# Altium PCB SAMD20_Xplained_Pro.PcbDoc (part 1 of 3) (continued)
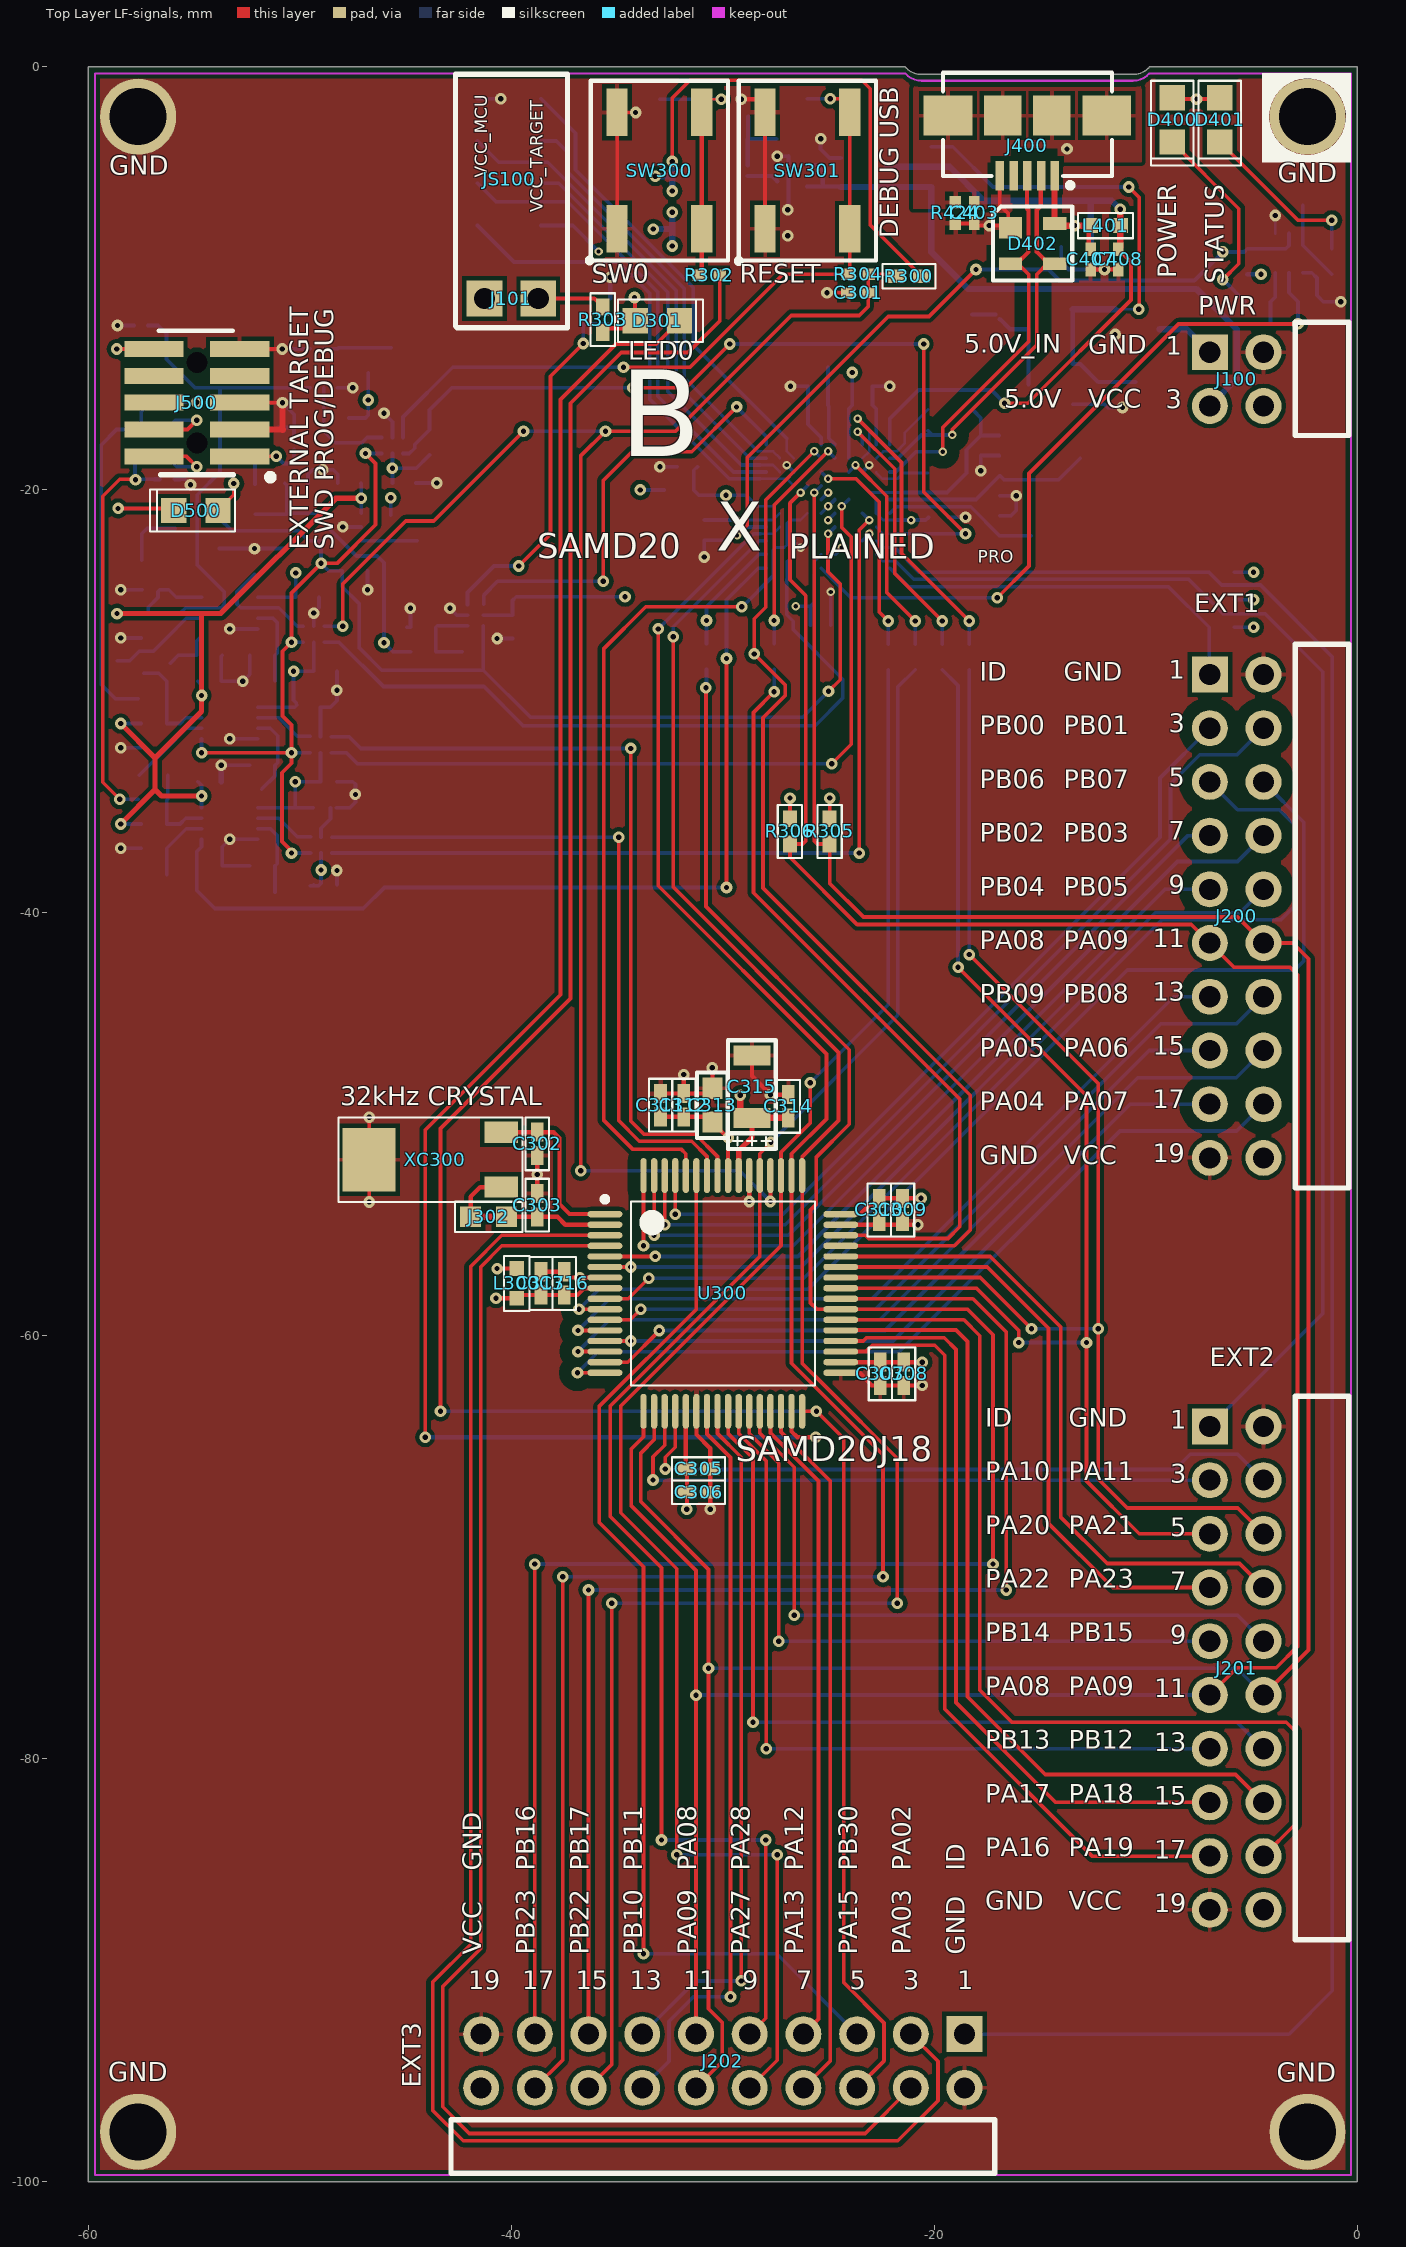
[diagram p0: Top Layer LF-signals view]
## Design rules (kind name [scope] priority, off if disabled: settings)
AcuteAngle [All] p1: minimum=7.00000000000000E+0001 checktracksonly=FALSE
AssemblyTestPointUsage [All] p1: allowmultiple=TRUE
AssemblyTestpoint [All] p1: testpointundercomponent=TRUE minsize=0.8 maxsize=10 preferedsize=0.8 minholesize=0 maxholesize=2 preferedholesize=0.25 testpointgrid=0.025 usegrid=FALSE gridtolerance=0 allowsidebottom=TRUE minspacing=1.27 compbodyclearance=0.127
Clearance Clearance_touch [IsRegion vs (InNet('PB00_ADC8') OR InNet('PB01_ADC9') OR InNet('PB02_PWM_TC6_0') OR InNet('PB03_PWM_TC6_1') OR InNet('PB04_GPIO_IRQ4') OR InNet('PB05_GPIO_SS') OR InNet('PB06_GPIO') OR InNet('PB07_GPIO') OR InNet('PB08_S4_UART_TX') OR InNet('PB09_S4_UART_RX') OR InNet('PA04_S0_SPI_MISO') OR InNet('PA05_S0_SPI_SS') OR InNet('PA06_S0_SPI_MOSI') OR InNet('PA07_S0_SPI_SCK'))] p1: gap=0.6
Clearance "Stitching GND" [IsStitchingVia and InNet('GND') vs (IsVia and (Not IsStitchingVia)) Or IsPad] p2: gap=0.3
Clearance Clearance_Poly_Impedance [IsRegion vs InDifferentialPairClass('All Differential Pairs')] p3: gap=0.6
Clearance Clearance_Poly [All vs IsRegion AND (OnLayer('Top Layer LF-signals') OR OnLayer('Bottom Layer LF-signals'))] p4: gap=0.2
Clearance [All] p5: gap=0.115
ComponentClearance [All] p1: gap=0.1 collisioncheckmode=3 verticalgap=0.1 showdistances=FALSE
DiffPairsRouting [All] p1: maxlimit=0.22 minlimit=0.2 mostfreqgap=0.2 toplayer_minwidth=0.381 toplayer_maxwidth=0.381 toplayer_prefwidth=0.381 bottomlayer_minwidth=0.381 bottomlayer_maxwidth=0.381 bottomlayer_prefwidth=0.381 maxuncoupledlength=20
FabricationTestPointUsage TestPointUsage [All] p1: valid=0 allowmultiple=TRUE
FabricationTestpoint Testpoint [All] p1: side=2 testpointundercomponent=TRUE minsize=0.55 maxsize=10 preferedsize=0.8 minholesize=0 maxholesize=2 preferedholesize=0.25 testpointgrid=0 allowsidebottom=TRUE usegrid=FALSE gridtolerance=0 minspacing=1.27 compbodyclearance=0.127
HoleSize [All] p1: absolutevalues=TRUE maxlimit=10 minlimit=0.15 maxpercent=80.000 minpercent=20.000
HoleToHoleClearance [All] p1: gap=0.3 allowstackedmicrovias=TRUE
MinimumAnnularRing [All] p1: minimumring=0.1
MinimumSolderMaskSliver [All] p1: minsoldermaskwidth=0.075
PlaneClearance [All] p1: clearance=0.2
PlaneConnect PlaneConnect_VIA [IsVia] p1: planeconnectstyle=Direct reliefexpansion=0.508 reliefentries=4 reliefconductorwidth=0.254 reliefairgap=0.254
PlaneConnect [All] p2: planeconnectstyle=Relief reliefexpansion=0.508 reliefentries=4 reliefconductorwidth=0.254 reliefairgap=0.254
PolygonConnect PolygonConnect_VIA [IsVia OR HasPad('Free-666')] p1: connectstyle=Direct reliefconductorwidth=0.254 reliefentries=4 polygonreliefangle="90 Angle" airgapwidth=0.254
PolygonConnect [All] p2: connectstyle=Relief reliefconductorwidth=0.2 reliefentries=4 polygonreliefangle="90 Angle" airgapwidth=0.2
RoutingVias [All] p1: holewidth=0.25 width=0.55 viastyle="Through Hole" minholewidth=0.2 minwidth=0.4 maxholewidth=0.5 maxwidth=1
SMDNeckDown [All] p1: percent=90.000
SilkToSilkClearance [All] p1: silktosilkclearance=0.1
SilkToSolderMaskClearance SilkscreenOverComponentPads [IsPad] p1: minsilkscreentomaskgap=0.01 clearancetoexposedcopper=TRUE
SolderMaskExpansion SolderMaskTenting [IsVia AND NOT (IsFabTestpoint OR IsAssyTestpoint)] p1: expansion=-1
SolderMaskExpansion [All] p2: expansion=0.05
ViasUnderSMD [All] p1: allowed=FALSE
Width [All] p1: maxlimit=10 minlimit=0.125 preferedwidth=0.175
16 further rules are at their usual default settings.

## Classes and differential pairs
differential pair EDBG_USB_FS: +EDBG_USB_FS_P -EDBG_USB_FS_N
differential pair EDBG_USB_HS: +EDBG_USB_HS_P -EDBG_USB_HS_N

## Components (designator, comment, footprint, x,y, rotation, side; value= is the part's Value field where it differs from the comment)
C100 "CAP-POL" AP1-00036 -27.35,-7.975 r0 bottom
C101 "CAP-NONPOL" AP1-00039 -24.425,-5 r90 bottom
C301 "100n" AP1-00053 -23.6,-10.675 r180 top locked
C302 "CAP-NONPOL" AP1-00001 -38.775,-50.925 r270 top
C303 "CAP-NONPOL" AP1-00001 -38.775,-53.825 r90 top
C305 "CAP-NONPOL" AP1-00001 -31.15,-66.3 r0 top
C306 "CAP-NONPOL" AP1-00001 -31.15,-67.4 r0 top
C307 "CAP-NONPOL" AP1-00001 -22.55,-61.8 r270 top
C308 "CAP-NONPOL" AP1-00001 -21.45,-61.8 r270 top
C309 "CAP-NONPOL" AP1-00001 -21.5,-54.05 r270 top
C310 "CAP-NONPOL" AP1-00001 -22.6,-54.05 r270 top
C311 "CAP-NONPOL" AP1-00001 -32.95,-49.1 r90 top
C312 "CAP-NONPOL" AP1-00001 -31.843,-49.099 r90 top
C313 "CAP-NONPOL" AP1-00002 -30.493,-49.099 r90 top
C314 "CAP-NONPOL" AP1-00001 -26.9,-49.15 r90 top
C315 "CAP-POL" AP1-00036 -28.625,-48.225 r90 top
C316 "CAP-NONPOL" AP1-00001 -37.5,-57.525 r90 top
C317 "CAP-NONPOL" AP1-00001 -38.6,-57.525 r90 top
C400 "22p" AP1-00053 -16.9,-21.7 r90 bottom locked
C401 "22p" AP1-00053 -16.9,-19.8 r270 bottom locked
C402 "10p" AP1-00053 -17.8,-17.9 r270 bottom locked
C403 "CAP-NONPOL" AP1-00053 -18.1,-6.9 r90 top locked
C404 "100n" AP1-00053 -31.675,-18.9 r180 bottom locked
C405 "Farnell no: 1288200" AP1-00053 -25.5,-15.1 r180 bottom locked
C406 "1 nF C0G" AP1-00053 -25.5,-16 r180 bottom locked
C407 "1 nF C0G" AP1-00053 -12.6,-9.1 r270 top locked
C408 "1 nF C0G" AP1-00053 -11.3,-9.1 r270 top locked
C409 "Farnell no: 1288200" AP1-00053 -23.4,-15.1 r0 bottom locked
C410 "100n" AP1-00053 -23.4,-16 r0 bottom locked
C411 "100n" AP1-00053 -19.8,-21.3 r0 bottom locked
C412 "100n" AP1-00053 -25.375,-25.5 r0 bottom locked
C413 "100n" AP1-00053 -30,-21.9 r270 bottom locked
C414 "Farnell no: 1288200" AP1-00053 -30.875,-21.9 r270 bottom locked
C415 "Farnell no: 1288200" AP1-00053 -25.375,-26.4 r0 bottom locked
C500 "CAP-NONPOL" AP1-00001 -48.8,-33.8 r0 bottom
C501 "CAP-NONPOL" AP1-00001 -50.165,-19.684 r180 bottom
C502 "CAP-NONPOL" AP1-00001 -52.125,-17.775 r270 bottom
C503 "CAP-NONPOL" AP1-00001 -54.275,-29.05 r0 bottom
C504 "CAP-NONPOL" AP1-00001 -49.625,-30.075 r0 bottom
C505 "CAP-NONPOL" AP1-00001 -48.8,-38.675 r0 bottom
C506 "CAP-NONPOL" AP1-00001 -45.075,-19.675 r0 bottom
C507 "CAP-NONPOL" AP1-00001 -54.275,-33.8 r0 bottom
C508 "CAP-NONPOL" AP1-00001 -48.825,-35.025 r0 bottom
C509 "CAP-NONPOL" AP1-00001 -48.8,-28.575 r0 bottom
C511 "CAP-NONPOL" AP1-00001 -56.9,-24.725 r180 bottom
C512 "CAP-NONPOL" AP1-00001 -49.65,-25.075 r0 bottom
C513 "CAP-NONPOL" AP1-00001 -47.665,-19.684 r0 bottom
C514 "CAP-NONPOL" AP1-00002 -50.625,-21.95 r270 bottom
C515 "CAP-NONPOL" AP1-00001 -39.95,-26.475 r270 bottom
D301 "Yellow" AP4-00013 -33.1,-12 r180 top locked
D400 "Green" AP4-00013 -8.75,-2.5 r90 top locked
D401 "Yellow" AP4-00013 -6.5,-2.5 r90 top locked
D402 "PRTR5V0U2X" AP4-00001 -16.4,-7.6 r0 top locked
D500 "Green" AP4-00013 -54.925,-20.975 r0 top
D501 "ESD_DIODE_21" AP4-00048 -56.275,-19.5 r0 bottom
D502 "ESD_DIODE_21" AP4-00048 -57.525,-12.225 r180 bottom
D503 "ESD_DIODE_21" AP4-00048 -56.2,-15.85 r0 bottom
D504 "ESD_DIODE_21" AP4-00048 -50.275,-17.75 r90 bottom
E1 "RUBBER FEET" AP8-00192 -9,-4.5 r180 bottom locked
E2 "RUBBER FEET" AP8-00192 -51,-4.5 r180 bottom locked
E3 "RUBBER FEET" AP8-00192 -9,-95.5 r180 bottom locked
E4 "RUBBER FEET" AP8-00192 -51,-95.5 r180 bottom locked
J100 "HEADER 2x2" AP8-00628 -5.7,-14.76 r270 top locked
J101 "HEADER 1x2" AP8-00367 -40,-10.95 r0 top locked
J200 "HEADER 2x10" AP8-00622 -5.7,-40.16 r270 top locked
J201 "HEADER 2x10" AP8-00622 -5.7,-75.72 r270 top locked
J202 "HEADER 2x10" AP8-00622 -30,-94.3 r180 top locked
J302 "" AP9-00044 -41.075,-54.375 r0 top net-tie
J400 "USB_AB" AP8-00604 -15.6,-2.3 r180 top locked
J500 "Changed footprint w/guide" AP8-00689 -54.875,-15.875 r270 top locked
JS100 "To be used by request from ESCATEC" AP8-00525 -40.1,-5.3 r0 top locked
L300 "BLM18PG471SN1" AP3-00005 -39.75,-57.525 r270 top
L401 "BLM18PG471SN1" AP3-00005 -11.9,-7.5 r0 top locked
L402 "BLM18PG471SN1" AP3-00005 -32.075,-20 r0 bottom locked
L500 "INDUCTOR" AP3-00005 -52.125,-20.425 r90 bottom
L501 "INDUCTOR" AP3-00005 -56.95,-29.875 r180 bottom
L503 "INDUCTOR" AP3-00005 -56.95,-34.625 r180 bottom
LABEL1 "PCBA_LABEL" AP8-00317 -59.275,-90.75 r90 bottom
Q100 "MOSFET_P_GSD" AP5-00002 -10.4,-12.4 r0 bottom locked
Q101 "MOSFET_P_GSD" AP5-00002 -14.5,-11.45 r0 bottom locked
Q102 "MOSFET_N_GSD" AP5-00002 -14.5,-15 r180 bottom locked
Q103 "MOSFET_P_GSD" AP5-00002 -21.2,-4.725 r180 bottom
Q400 "Same as 2N7002 but with two MOSFETs in one package" AP5-00001 -3.225,-8.8 r270 bottom locked
Q500 "Same as 2N7002 but with two MOSFETs in one package" AP5-00001 -48.875,-14.25 r90 bottom
Q501 "MOSFET_N_GSD" AP5-00002 -54.85,-21.825 r180 bottom
R100 "R2" AP2-00000 -26.875,-3.4 r0 bottom
R102 "R2" AP2-00000 -29.4,-3.4 r0 bottom
R103 "R2" AP2-00000 -17.1,-11.1 r90 bottom
R104 "R2" AP2-00000 -13.4,-8.5 r0 bottom
R107 "R2" AP2-00000 -11.8,-15.5 r90 bottom locked
R108 "R2" AP2-00000 -31.79,-5.165 r180 bottom locked
R109 "R2" AP2-00000 -36.6,-11.55 r90 bottom
R110 "R2" AP2-00000 -35.325,-11.55 r270 bottom
R300 "R2" AP2-00000 -21.2,-9.9 r0 top locked
R302 "R2" AP2-00011 -30.65,-9.85 r0 top locked
R303 "R2" AP2-00000 -35.675,-11.95 r90 top
R304 "R2" AP2-00011 -23.6,-9.8 r0 top locked
R305 "R2" AP2-00000 -24.95,-36.15 r90 top
R306 "R2" AP2-00000 -26.825,-36.15 r90 top
R401 "R2" AP2-00000 -6.4,-23.9 r0 bottom locked
R402 "R2" AP2-00000 -6.4,-25.2 r0 bottom locked
R409 "R2" AP2-00000 -6.4,-26.5 r0 bottom locked
R410 "R2" AP2-00000 -5.2,-9.2 r270 bottom locked
R411 "R2" AP2-00000 -4.7,-11.1 r180 bottom locked
R412 "R2" AP2-00000 -1.2,-9.2 r90 bottom locked
R413 "R2" AP2-00000 -2.2,-11.1 r180 bottom locked
R414 "R2" AP2-00000 -27.575,-27.875 r90 bottom
R416 "R2" AP2-00000 -22.175,-27.9 r90 bottom
R417 "R2" AP2-00000 -20.9,-27.9 r90 bottom
R418 "R2" AP2-00000 -19.625,-27.9 r90 bottom
R419 "R2" AP2-00000 -18.35,-27.9 r90 bottom
R420 "R2" AP2-00000 -30.775,-27.875 r270 bottom
R421 "R2" AP2-00011 -20.3,-16.7 r90 bottom locked
R422 "R2" AP2-00011 -20.3,-18.7 r270 bottom locked
R423 "R2" AP2-00011 -16.9,-17.9 r90 bottom locked
R424 "R2" AP2-00011 -19,-6.9 r90 top locked
R425 "R2" AP2-00000 -31.79,-7.665 r0 bottom locked
R500 "R2" AP2-00000 -47.4,-23.825 r0 bottom
R501 "R2" AP2-00000 -56.9,-25.85 r180 bottom
R502 "R2" AP2-00000 -56.9,-31.05 r0 bottom
R503 "R2" AP2-00000 -57.475,-21.475 r90 bottom
R504 "R2" AP2-00000 -56.9,-35.8 r180 bottom
R505 "R2" AP2-00000 -56.905,-18.415 r0 bottom
R506 "R2" AP2-00000 -51.775,-37.775 r180 bottom
R507 "R2" AP2-00000 -56.9,-36.95 r180 bottom
R508 "R2" AP2-00000 -56.905,-17.145 r0 bottom
R509 "R2" AP2-00000 -56.905,-13.335 r180 bottom
R510 "R2" AP2-00000 -54.275,-37.775 r180 bottom
R511 "R2" AP2-00000 -51.775,-27.825 r180 bottom
R512 "R2" AP2-00000 -56.9,-27 r180 bottom
R513 "R2" AP2-00000 -54.275,-27.825 r180 bottom
R514 "R2" AP2-00000 -45.7,-21.8 r90 bottom
R516 "R2" AP2-00000 -44.175,-27.65 r180 bottom
R517 "R2" AP2-00000 -44.175,-26.5 r0 bottom
R520 "R2" AP2-00000 -43.875,-17.75 r270 bottom
R525 "R2" AP2-00000 -48.275,-16.6 r0 bottom
R526 "R2" AP2-00000 -46.775,-13.875 r270 bottom
R527 "R2" AP2-00000 -56.9,-32.2 r180 bottom
R528 "R2" AP2-00000 -51.775,-33.025 r180 bottom
SW300 "Can be ordered in low volumes from Mouser" AP8-00137 -33,-4.9 r90 top locked
SW301 "Can be ordered in low volumes from Mouser" AP8-00137 -26,-4.9 r90 top locked
TP300 "TESTPOINT" AP8-00010#1 -32.825,-1.475 r270 bottom locked
TP301 "TESTPOINT" AP8-00010#2 -26,-1.5 r270 bottom locked
TP400 "TESTPAD" AP8-00010#2 -41.6,-1.5 r270 bottom locked
TP401 "TESTPAD" AP8-00010#2 -38.6,-1.5 r270 bottom locked
TP402 "TESTPAD" AP8-00010#2 -41.6,-3.5 r270 bottom locked
TP403 "TESTPAD" AP8-00010#2 -41.6,-5.5 r270 bottom locked
TP404 "TESTPAD" AP8-00010#2 -38.6,-5.5 r270 bottom locked
TP405 "TESTPAD" AP8-00010#2 -41.6,-7.5 r270 bottom locked
TP406 "TESTPAD" AP8-00010#2 -38.6,-3.5 r270 bottom locked
TP407 "TESTPAD" AP8-00010#2 -38.6,-7.5 r270 bottom locked
U100 "Mouser: 1016-1588-2-ND" AP6-00338 -27.425,-5.4 r180 bottom
U300 "TQFP64" AP6-00173 -30,-58 r0 top
U400 "100 ball VFBGA" AP6-00206 -25.025,-20.775 r90 bottom locked
U500 "FSA3157" AP6-00076 -49.025,-32.05 r270 bottom
U501 "SN74LVC2T45" AP6-00102 -53.325,-31.025 r180 bottom
U502 "FSA3157" AP6-00076 -49,-36.8 r270 bottom
U503 "FSA3157" AP6-00076 -45.625,-17.9 r270 bottom
U504 "FSA3157" AP6-00076 -49.35,-26.825 r270 bottom
U505 "SN74LVC2T45" AP6-00102 -53.325,-35.775 r180 bottom
U506 "SN74LVC2T45" AP6-00102 -53.325,-25.825 r180 bottom
U507 "TPS2294x" AP6-00012 -48.05,-21.75 r180 bottom
U508 "FSA3157" AP6-00076 -41.7,-25.925 r0 bottom
XC300 "Farnell order no:1539364" AP7-00044 -40.475,-51.675 r90 top
XC400 "12.0MHz" AP7-00039 -14.25,-20.25 r90 bottom locked

## Footprints (in the part's own frame and the unit in brackets; to place one, negate y for a bottom-side part, rotate by r counter-clockwise, add the part's x,y. Pads: shape width x height; smd on the part's side, far side on the other; paste and mask are expansions set on the pad)
AP1-00001 [mm] "Standard 0402 SMD capacitor footprint"
  rect 0.9x0.6 smd: 1(-0.55,0) 2(0.55,0)
  silkscreen extent -1.25,-0.55 1.25,0.55, body extent -0.5,-0.3 0.5,0.3, height 0.2
AP1-00002 [mm]
  rect 1x0.95 smd: 1(-0.8,0) 2(0.8,0)
  silkscreen extent -1.55,-0.72 1.55,0.72, body extent -0.8,-0.4 0.8,0.4, height 0.3
AP1-00036 [mm] "SMD capacitors: 3216-18 EIA Case 1206, polarized"
  rect 0.95x1.75 smd: 1(-1.475,0) 2(1.475,0)
  silkscreen extent -2.95,-1.12 2.2,1.12, body extent -1.6,-0.8 1.6,0.8, height 1
AP1-00039 [mil] "Capacitor 0603 Hight 0.8mm"
  rect 30x30 smd: 1(-27.5,0) 2(27.5,0)
  silkscreen extent -52,-24 51,24, body extent -31,-16 32,16, height 12
AP1-00053 [mm] "Chip Capacitor, 2-Leads, Body 1.0x0.5mm, IPC High Density"
  rect 0.65x0.5 smd: 1(-0.475,0) 2(0.475,0)
  body extent -0.5,-0.3 0.5,0.3, height 0.2
AP2-00000 [mm] "Standard 0402 SMD resistor footprint"
  rect 0.8x0.65 smd: 1(-0.6,0) 2(0.6,0)
  silkscreen extent -1.25,-0.58 1.25,0.58, body extent -0.5,-0.3 0.5,0.3, height 0.2
AP2-00011 [mm] "Chip Resistor, 2-Leads, Body 1,0x0,5mm, IPC High Density"
  rect 0.6x0.55 smd: 1(-0.5,0) 2(0.5,0)
  body extent -0.5,-0.3 0.5,0.3, height 0.2
AP3-00005 [mm]
  rect 0.7x0.7 smd: 1(-0.7,0) 2(0.7,0)
  silkscreen extent -1.3,-0.6 1.3,0.6, body extent -0.83,-0.41 0.82,0.41, height 0.8
AP4-00001 [mm]
  rect 1.1x1 smd: 1(0,0)
  rect 1.1x0.6 smd: 2(0,-1.7) 3(2.1,-1.7) 4(2.1,0.2)
  silkscreen extent -0.82,-2.5 2.93,1, body extent -0.25,-2.25 2.25,0.75, height 1.1
AP4-00013 [mm] "0805 diode footprint"
  rect 1.2x1.2 smd: 1(-1.05,0) 2(1.05,0)
  silkscreen extent -2.16,-1 1.85,1, body extent -1,-0.63 1,0.63, height 1.1
AP4-00048 [mm] "ESD Diode"
  rect 0.25x0.5 smd mask+0.05: 1(0.325,0)
  rect 0.25x0.5 smd paste+0 mask+0.05: 2(-0.325,0)
  Top Layer LF-signals region: -0.325,-0.1 -0.65,-0.1 -0.65,0.1 -0.325,0.1
  Top Layer LF-signals region: 0.325,0.1 0.65,0.1 0.65,-0.1 0.325,-0.1
  silkscreen extent -1.02,-0.43 0.82,0.43, body extent -0.5,-0.33 0.5,0.33, height 0.41
AP5-00001 [mm]
  rect 0.85x0.35 smd: 1(-0.925,0.65) 2(-0.925,0) 3(-0.925,-0.65) 4(0.925,-0.65) 5(0.925,0) 6(0.925,0.65)
  silkscreen extent -1.6,-1.35 1.6,1.35, body extent -1.05,-1 1.05,1, height 0.95
AP5-00002 [mm] "SOT-23 Package"
  rect 1.3x0.6 smd: 1(-1.05,0.95) 2(-1.05,-0.95) 3(1.05,0)
  silkscreen extent -1.95,-1.78 1.95,1.78, body extent -1.25,-1.46 1.23,1.46, height 1
AP6-00012 [mm]
  rect 0.85x0.4 smd: 1(-0.95,0.65) 2(-0.95,0) 3(-0.95,-0.65) 4(0.95,-0.65) 5(0.95,0.65)
  silkscreen extent -1.6,-1.35 1.6,1.35, body extent -0.67,-1.1 0.67,1.1, height 1.1
AP6-00076 [mm]
  rect 0.5x0.3 smd: 1(-0.375,0.5) 2(-0.375,0) 3(-0.375,-0.5) 4(0.375,-0.5) 5(0.375,0) 6(0.375,0.5)
  silkscreen extent -1.05,-1 1.05,1, body extent -0.53,-0.75 0.53,0.75, height 0.55
AP6-00102 [mm]
  rect 1.25x0.3 smd: 1(-1.325,0.75) 2(-1.325,0.25) 3(-1.325,-0.25) 4(-1.325,-0.75) 5(1.325,-0.75) 6(1.325,-0.25) 7(1.325,0.25) 8(1.325,0.75)
  silkscreen extent -2.3,1.05 -2.1,1.25, body extent -1.55,-1.15 1.55,1.15, height 0.82
AP6-00173 [mm] "TSQFP, 64-Leads, Body 12.0x12.0mm (max), Pitch 0.50mm, IPC Medium Density"
  oval 1.65x0.3 smd: 1(-5.575,3.75) 2(-5.575,3.25) 3(-5.575,2.75) 4(-5.575,2.25) 5(-5.575,1.75) 6(-5.575,1.25) 7(-5.575,0.75) 8(-5.575,0.25) 9(-5.575,-0.25) 10(-5.575,-0.75) 11(-5.575,-1.25) 12(-5.575,-1.75) 13(-5.575,-2.25) 14(-5.575,-2.75) 15(-5.575,-3.25) 16(-5.575,-3.75) 33(5.575,-3.75) 34(5.575,-3.25) 35(5.575,-2.75) 36(5.575,-2.25) 37(5.575,-1.75) 38(5.575,-1.25) 39(5.575,-0.75) 40(5.575,-0.25) 41(5.575,0.25) 42(5.575,0.75) 43(5.575,1.25) 44(5.575,1.75) 45(5.575,2.25) 46(5.575,2.75) 47(5.575,3.25) 48(5.575,3.75)
  oval 0.3x1.65 smd: 17(-3.75,-5.575) 18(-3.25,-5.575) 19(-2.75,-5.575) 20(-2.25,-5.575) 21(-1.75,-5.575) 22(-1.25,-5.575) 23(-0.75,-5.575) 24(-0.25,-5.575) 25(0.25,-5.575) 26(0.75,-5.575) 27(1.25,-5.575) 28(1.75,-5.575) 29(2.25,-5.575) 30(2.75,-5.575) 31(3.25,-5.575) 32(3.75,-5.575) 49(3.75,5.575) 50(3.25,5.575) 51(2.75,5.575) 52(2.25,5.575) 53(1.75,5.575) 54(1.25,5.575) 55(0.75,5.575) 56(0.25,5.575) 57(-0.25,5.575) 58(-0.75,5.575) 59(-1.25,5.575) 60(-1.75,5.575) 61(-2.25,5.575) 62(-2.75,5.575) 63(-3.25,5.575) 64(-3.75,5.575)
  silkscreen extent -5.7,-4.35 4.35,4.57, body extent -6,-6 6,6, height 1.2
AP6-00206 [mm] "100 ball (10x10 array) VFBGA. Pitch 0.65 mm. Width: 7 mm. Length: 7mm. Height: 1 mm"
  round 0.28 smd: A1(-2.925,2.925) A2(-2.275,2.925) A3(-1.625,2.925) A4(-0.975,2.925) A5(-0.325,2.925) A6(0.325,2.925) A7(0.975,2.925) A8(1.625,2.925) A9(2.275,2.925) A10(2.925,2.925) B1(-2.925,2.275) B2(-2.275,2.275) B3(-1.625,2.275) B4(-0.975,2.275) B5(-0.325,2.275) B6(0.325,2.275) B7(0.975,2.275) B8(1.625,2.275) B9(2.275,2.275) B10(2.925,2.275) C1(-2.925,1.625) C2(-2.275,1.625) C3(-1.625,1.625) C4(-0.975,1.625) C5(-0.325,1.625) C6(0.325,1.625) C7(0.975,1.625) C8(1.625,1.625) C9(2.275,1.625) C10(2.925,1.625) D1(-2.925,0.975) D2(-2.275,0.975) D3(-1.625,0.975) D4(-0.975,0.975) D5(-0.325,0.975) D6(0.325,0.975) D7(0.975,0.975) D8(1.625,0.975) D9(2.275,0.975) D10(2.925,0.975) E1(-2.925,0.325) E2(-2.275,0.325) E3(-1.625,0.325) E4(-0.975,0.325) E5(-0.325,0.325) E6(0.325,0.325) E7(0.975,0.325) E8(1.625,0.325) E9(2.275,0.325) E10(2.925,0.325) F1(-2.925,-0.325) F2(-2.275,-0.325) F3(-1.625,-0.325) F4(-0.975,-0.325) F5(-0.325,-0.325) F6(0.325,-0.325) F7(0.975,-0.325) F8(1.625,-0.325) F9(2.275,-0.325) F10(2.925,-0.325) G1(-2.925,-0.975) G2(-2.275,-0.975) G3(-1.625,-0.975) G4(-0.975,-0.975) G5(-0.325,-0.975) G6(0.325,-0.975) G7(0.975,-0.975) G8(1.625,-0.975) G9(2.275,-0.975) G10(2.925,-0.975) H1(-2.925,-1.625) H2(-2.275,-1.625) H3(-1.625,-1.625) H4(-0.975,-1.625) H5(-0.325,-1.625) H6(0.325,-1.625) H7(0.975,-1.625) H8(1.625,-1.625) H9(2.275,-1.625) H10(2.925,-1.625) J1(-2.925,-2.275) J2(-2.275,-2.275) J3(-1.625,-2.275) J4(-0.975,-2.275) J5(-0.325,-2.275) J6(0.325,-2.275) J7(0.975,-2.275) J8(1.625,-2.275) J9(2.275,-2.275) J10(2.925,-2.275) K1(-2.925,-2.925) K2(-2.275,-2.925) K3(-1.625,-2.925) K4(-0.975,-2.925) K5(-0.325,-2.925) K6(0.325,-2.925) K7(0.975,-2.925) K8(1.625,-2.925) K9(2.275,-2.925) K10(2.925,-2.925)
  silkscreen extent -4.15,-4.15 4.15,4.15, body extent -3.5,-3.5 3.5,3.5, height 1.01
AP6-00338 [mm] "8-lead 3.0x2.0 mm Body, 0.50 mm Pitch,  VDFN, Very Thin, Dual Flat No-Lead Package"
  round 0.4 on Bottom Paste: 0(-0.425,-0.4) 0(-0.425,0.4) 0(0,0) 0(0.425,-0.4) 0(0.425,0.4)
  rect 0.6x0.25 smd: 1(-1.4,0.75) 2(-1.4,0.25) 3(-1.4,-0.25) 4(-1.4,-0.75) 5(1.4,-0.75) 6(1.4,-0.25) 7(1.4,0.25) 8(1.4,0.75)
  rect 1.6x1.5 smd paste-0.7: 9(0,0)
  silkscreen extent -2.26,-1.3 2.2,1.33, body extent -1.53,-1 1.53,1, height 0.92
AP7-00039 [mm] "FOX FQ5032B"
  rect 1.6x1.3 smd: 1(-1.9,-1.15) 2(1.9,-1.15) 3(1.9,1.15) 4(-1.9,1.15)
  silkscreen extent -3,-2.1 3,2.1, body extent -2.7,-1.8 2.7,1.8, height 1.2
AP7-00044 [mm]
  rect 1x1.6 smd: 1(-1.3,0) 2(1.3,0)
  rect 3x2.5 smd: 3(0,6.25)
  silkscreen extent -2,-1 2,7.7, body extent -1.5,-0.7 1.5,7.4, height 2.08
AP8-00010#1 [mm] "Testpad 50mil"
  round 1.27 smd paste-0.635: 1(0.025,0.175)
AP8-00010#2 [mm] "Testpad 50mil"
  round 1.27 smd paste-0.635: 1(0,0)
AP8-00137 [mm]
  rect 2.25x1 smd: 1(-2.75,2) 2(2.75,2) 3(-2.75,-2) 4(2.75,-2)
  silkscreen extent -4.35,-3.25 4.25,3.4, body extent -3.1,-3.1 3.1,3.1, height 3.4
AP8-00192 [mm]
  silkscreen extent -4,-4 4,4, body extent -3.97,-3.99 4,3.99, height 2.79
AP8-00317 [mm] "Placement area for 18x6mm sticker"
  silkscreen extent 0,0 18,6
AP8-00367 [mm] "1x2 pin header, right angle, 2.54 mm pitch, through-hole"
  rect 1.7x1.7 / inner round 1.7 / far side round 1.7 hole 1: 1(-1.27,0) 2(1.27,0)
  silkscreen extent -2.65,-1.38 2.66,10.6, body extent -2.54,-0.33 2.54,9.99, height 2.55
AP8-00525 [mm] "Jumper 2.54mm, 3D"
  body extent -2.49,0 2.49,5.97, height 2.52
AP8-00604 [mm] "Micro USB connector SMD"
  rect 0.4x1.4 smd: 1(-1.3,2.85) 2(-0.65,2.85) 3(0,2.85) 4(0.65,2.85) 5(1.3,2.85)
  rect 2.3x1.9 smd: 6(-3.75,0) 9(3.75,0)
  rect 1.775x1.9 smd: 7(-1.162,0) 8(1.162,0)
  silkscreen extent -4,-2.02 3.99,3.42, body extent -3.99,-2.58 3.99,2.85, height 2.77
AP8-00622 [mm] "2x10 Right angle 2.54mm THM"
  rect 1.7x1.7 / inner round 1.7 / far side rect 1.7x1.7 hole 1: 1(-11.43,-1.27)
  rect 2.1x2.1 on Top Paste: 1(-11.43,-1.27) 2(-11.43,1.27) 3(-8.89,-1.27) 4(-8.89,1.27) 5(-6.35,-1.27) 6(-6.35,1.27) 7(-3.81,-1.27) 8(-3.81,1.27) 9(-1.27,-1.27) 10(-1.27,1.27) 11(1.27,-1.27) 12(1.27,1.27) 13(3.81,-1.27) 14(3.81,1.27) 15(6.35,-1.27) 16(6.35,1.27) 17(8.89,-1.27) 18(8.89,1.27) 19(11.43,-1.27) 20(11.43,1.27)
  round 1.7 hole 1: 2(-11.43,1.27) 3(-8.89,-1.27) 4(-8.89,1.27) 5(-6.35,-1.27) 6(-6.35,1.27) 7(-3.81,-1.27) 8(-3.81,1.27) 9(-1.27,-1.27) 10(-1.27,1.27) 11(1.27,-1.27) 12(1.27,1.27) 13(3.81,-1.27) 14(3.81,1.27) 15(6.35,-1.27) 16(6.35,1.27) 17(8.89,-1.27) 18(8.89,1.27) 19(11.43,-1.27) 20(11.43,1.27)
  silkscreen extent -12.85,2.77 12.85,5.31, body extent -12.7,-1.59 12.7,11.29, height 5
AP8-00628 [mm] "2x2 Right angle 2.54mm THM"
  rect 1.7x1.7 / inner round 1.7 / far side rect 1.7x1.7 hole 1: 1(-1.27,-1.27)
  rect 2.1x2.1 on Top Paste: 1(-1.27,-1.27) 2(-1.27,1.27) 3(1.27,-1.27) 4(1.27,1.27)
  round 1.7 hole 1: 2(-1.27,1.27) 3(1.27,-1.27) 4(1.27,1.27)
  silkscreen extent -2.69,2.77 2.67,5.31, body extent -2.54,-1.52 2.54,11.36, height 5
AP8-00689 [mm] "1.27mm pitch, 10 pin, terminal strip; w/alignment pins, SMT"
  rect 0.75x2.8 smd mask+0: 1(2.54,2.03) 2(2.54,-2.03) 3(1.27,2.03) 4(1.27,-2.03) 5(0,2.03) 6(0,-2.03) 7(-1.27,2.03) 8(-1.27,-2.03) 9(-2.54,2.03) 10(-2.54,-2.03)
  round 0.5 hole 1 unplated mask+0: 11(-1.905,0) 12(1.905,0)
  silkscreen extent -3.4,-1.8 3.67,3.62, body extent -3.18,-2.92 3.17,2.92, height 5.71
AP9-00044 [mm]
  rect 1x0.95 smd paste-1: 1(-0.85,0) 2(0.85,0)
  Top Layer LF-signals region: -0.45,-0.15 0.45,-0.15 0.45,0.15 -0.45,0.15
  silkscreen extent -1.6,-0.72 1.6,0.72, body extent -0.8,-0.4 0.8,0.4, height 0.3

## Part data
C100: library part A01-0324, "SMD tantalum capacitor, ESR = 1.7, 3216-18 (EIA) 1206,"
C101: library part A01-0377, "Ceramic capacitor, SMD 0603, X5R, 10V, 10% (de31036)"
C301 C306 C308 C310 C312 C316 C404 C410 C411 C412 C413 C500 C501 C502 C503 C504 C505 C506 C507 C508 C509 C511 C512 C513 C515: library part A01-0246, "Ceramic capacitor, SMD 0402, X7R, 16V, +/-10%"
C302 C303: library part A01-0013, "Ceramic capacitor, SMD 0402, NP0, 50V, +/-5%"
C305 C307 C309 C311 C317: library part A01-0397, "Ceramic capacitor, SMD 0402, X7R, 25V, ±10%"
C313 C514: library part A01-0368, "Ceramic capacitor, SMD 0603, X5R, 25V, ±10%"
C314: library part A01-0286, "Ceramic capacitor, SMD 0402, X5R, 6.3V, +/-10% (de26942)"
C315: library part A01-0344, "SMD tantalum capacitor, ESR = 5, 3216-18 (EIA) 1206, polarized"
C400 C401: library part A01-0019, "Ceramic capacitor, SMD 0402, NP0, 50V, +/-5%"
C402: library part A01-0015, "Ceramic capacitor, SMD 0402, NP0, 50V, +/-5%"
C403: library part A01-0046, "Ceramic capacitor, SMD 0402, X7R, 25V, +/-10%"
C405 C409 C414 C415: library part A01-0300, "Ceramic capacitor, SMD 0402, X5R, 6.3V, +/-20%"
C406 C407 C408: library part A01-0321, "Ceramic capacitor, SMD 0402, C0G, 50V, +/-5%"
D301 D401: library part A10-0019, "LED, Yellow, Wave length=591nm, SMD 0805, ±70°"
D400 D500: library part A10-0018, "LED, Green, Wave length=575nm, SMD 0805, ±70°"
D402: library part A06-0236, "Double rail-to-rail USB ESD protection diode"
D501 D502 D503 D504: library part A04-0057, "Low capacitence ESD-Protection Diode in LLP1006-2L"
E1 E2 E3 E4: library part A08-0053, "2.8mm adhesive feet,diam 8.0mm"
J100: library part A08-1519, "Pin header, 2x2, Right Angle, 2.54mm, THT, Pin In Paste"
J101: library part A08-0764, "1x2 pin header, right angle, 2.54 mm pitch, through-hole"
J200 J201 J202: library part A08-1513, "Pin header, 2x10, Right Angle, 2.54mm, THM, Pin In Paste"
J302: library part A09-0783, "Default closed SMD strap, 0603 size"
J400: library part A08-1368, "Micro USB AB Connector"
J500: library part A08-0729, "SAMTEC FTSH series 50-mil micro header (vertical)"
JS100: library part A08-0543, "Jumper cap for 2.54mm pinheader"
L300 L401 L402 L500: library part A03-0035, "SMD RF inductor 0603. Z=470Ohm (@100MHz), Max R(dc)=0.65Ohm, Max current=1A"
L501 L503: library part A03-0034, "SMD RF inductor 0603. Z=220Ohm (@100MHz), Max R(dc)=0.65Ohm, Max current=200mA"
LABEL1: library part A09-0611, "PCBA identification label PP Top White Gloss"
Q100 Q101 Q103: library part A05-0087, "P-ch. MOSFET. -30V, -3.7A continuous,RDS(ON)=0.05Ohm@VGS=-4,5V, RDS(ON)=0.08Ohm@VGS=-2.5V"
Q102 Q501: library part A05-0085, "N-Channel MOSFET. 60V, 0.300A continuous, 1.2A Peak. RDS(ON) = 3.8Ohm@VGS=4.5V, VGS(th)<2.5V"
Q400 Q500: library part A05-0051, "Dual N-Channel MOSFET, 60V, 115mA cont,RDS(ON) < 7.5 Ohm @50mA@5V, SOT-363"
R100: library part A02-0242, "Thick film resistor, SMD 0402, 1/16W, 1%"
R102: library part A02-0247, "Thick film resistor, SMD 0402, 1/16W, 1%"
R103 R300: library part A02-0260, "Thick film resistor, SMD 0402, 1/16W, 1%"
R104 R107 R410 R413 R424: library part A02-0284, "Thick film resistor, SMD 0402, 1/16W, 1%"
R108 R425: library part A02-0163, "Thick film resistor, SMD 0402, 1/16W, 1%"
R109 R110 R500 R501 R502 R504 R506 R507 R510 R511 R512 R513 R514 R516 R517 R520 R525 R526 R527 R528: library part A02-0252, "Thick film resistor, SMD 0402, 1/16W, 1%"
R302 R304 R421 R422: library part A02-0178, "Thick film resistor, SMD 0402, 1/16W, 1%"
R303 R411 R412 R414 R416 R417 R418 R419 R420: library part A02-0200, "Thick film resistor, SMD 0402, 1/16W, 1%"
R305 R306: library part A02-0228, "Thick film resistor, SMD 0402, 1/16W, 1%"
R401 R402 R409: library part A02-0212, "Thick film resistor, SMD 0402, 1/16W, 1%"
R423: library part A02-0539, "Thick film resistor, SMD 0402, 1/16W, 1%"
R503: library part A02-0196, "Thick film resistor, SMD 0402, 1/16W, 1%"
R505 R508 R509: library part A02-0184, "Thick film resistor, SMD 0402, 1/16W, 1%"
SW300 SW301: library part A08-0790, "6.2x6.2 mm SMD tact switch, same as A08-0091 but less force is needed"
TP300 TP301 TP400 TP401 TP402 TP403 TP404 TP405 TP406 TP407: library part A08-0004, "Single SMD testpad"
U100: library part A06-0957, "500mA LDO, ADJ, low noise, 8-DFN package"
U300: library part A06-0964, "Atmel 32-bit RISC MCU"
U400: library part A06-0736, "AVR 32-bit RISC MCU"
U500 U502 U503 U504 U508: library part A06-0765, "SPDT analog switch or 2:1 multiplexer"
U501 U505 U506: library part A06-0085, "Dual Voltage Level Translator SN74LVC2T45"
U507: library part A06-0392, "LOW-INPUT-VOLTAGE CURRENT-LIMITED LOAD SWITCH"
XC300: library part A07-0052, "32k768 crystal, +-20ppm, CL=7pF, max ESR 60kOhm, SMD"
XC400: library part A07-0042, "Fox FQ5032B 12.0MHz SMD crystal 738B-12"

## Free pads (board coordinates)
  round 0.8 smd far side: 0(-58.67,-17.145) 0(-58.625,-28.075) 0(-57.6,-33.5) 0(-57.475,-23.325) 0(-57.375,-28.675) 0(-56.3,-38.2) 0(-56.25,-33.5) 0(-53.775,-15.175) 0(-52.15,-24) 0(-51.8,-34.15) 0(-51.175,-39.025) 0(-51.175,-29.025) 0(-50.6,-31.175) 0(-50.6,-35.925) 0(-48.325,-17.775) 0(-46.05,-29.3) 0(-45.675,-13.275) 0(-44.45,-22.4) 0(-42.325,-27.65)
  round 0.8 smd far side paste-1: 3(-56.125,-28.2) 3(-31.2,-3.425) 3(-28.8,-2.35) 3(-25.05,-14.175) 3(-18.2,-11.7) 3(-18.15,-16.25) 3(-10.475,-14.9) 3(-4.1,-12.025) 3(-2.575,-6.55)
  round 3.6 hole 2.7 paste-2.6: 666(-57.65,-97.65) 666(-57.65,-2.35) 666(-2.35,-97.65) 666(-2.35,-2.35)

## Via types
v1: diameter 0.55, hole 0.25, Top Layer LF-signals to Bottom Layer LF-signals, tented both sides, 80 vias
v2: diameter 0.55, hole 0.25, Top Layer LF-signals to Bottom Layer LF-signals, tented top, 71 vias
v3: diameter 0.55/0.8 (per signal layer), hole 0.25, Top Layer LF-signals to Bottom Layer LF-signals, tented top, 39 vias
v4: diameter 0.55, hole 0.25, Top Layer LF-signals to Bottom Layer LF-signals, 20 vias
v5: diameter 0.4, hole 0.2, Top Layer LF-signals to Bottom Layer LF-signals, tented both sides, 16 vias
v6: diameter 0.4, hole 0.2, Top Layer LF-signals to Bottom Layer LF-signals, tented top, 10 vias
v7: diameter 0.4, hole 0.2, Top Layer LF-signals to Bottom Layer LF-signals, 1 vias

## Nets (pads, with @x,y where several pads share a name; then routed paths per layer and width w, separated by ;. In a path a pad name is that pad's centre, name@x,y a point inside that pad or via, vN(x,y) a via of type N, cw(c..) or ccw(c..) an arc to the next point about the centre after c; other vN are vias at no path point)
DGI_GPIO0: R416.2 U400.F8 | length 10.2
  Top Layer LF-signals w0.175: v5(-25.025,-19.475) -23.7,-19.475 -22.6,-20.575 -22.6,-25.775 v3(-22.175,-26.2)
  Bottom Layer LF-signals w0.175: U400.F8@-25.35,-19.15 v5(-25.025,-19.475) ; R416.2@-22.175,-27.3 v3(-22.175,-26.2)
DGI_GPIO1: R417.2 U400.D8 | length 10.1
  Top Layer LF-signals w0.125: v3@-20.886,-26.2 v3@-20.875,-26.2
  Top Layer LF-signals w0.175: v5(-23.725,-18.825) -22.25,-20.3 -22.25,-24.85 v3(-20.9,-26.2)
  Bottom Layer LF-signals w0.175: U400.D8@-24.05,-19.15 v5(-23.725,-18.825) ; R417.2@-20.9,-27.3 v3(-20.9,-26.2)
DGI_GPIO2: R418.2 U400.C10 | length 12.4
  Top Layer LF-signals w0.175: v5(-23.625,-17.25) -21.875,-19 -21.875,-23.95 v3(-19.625,-26.2)
  Bottom Layer LF-signals w0.175: v5(-23.625,-17.25) -23.4,-17.475 U400.C10@-23.4,-17.85 ; R418.2@-19.625,-27.3 v3(-19.625,-26.2)
DGI_GPIO3: R419.2 U400.C9 | length 15.1
  Top Layer LF-signals w0.175: v5(-23.625,-16.625) -21.55,-18.7 -21.55,-23 v3(-18.35,-26.2)
  Bottom Layer LF-signals w0.125: v5(-23.625,-16.625) -23.075,-17.175 -23.075,-18.175 U400.C9@-23.4,-18.5
  Bottom Layer LF-signals w0.175: R419.2@-18.35,-27.3 v3(-18.35,-26.2)
EDBG_ADC0: U400.K10 U508.4 | length 21.2
  Top Layer LF-signals w0.175: v3(-35.65,-24.325) -35.65,-19.55 -34.3,-18.2 -31.475,-18.2 v1(-29.35,-16.075)
  Bottom Layer LF-signals w0.175: U508.4@-41.3,-25.4 -41.3,-24.975 -40.65,-24.325 v3(-35.65,-24.325) ; v1(-29.35,-16.075) -27.95,-17.475 U400.K10@-27.95,-17.85
EDBG_CDC_USART_RX: U300.45 U400.F9 | length 50
  Top Layer LF-signals w0.175: v6(-25.675,-18.175) -27.975,-20.475 -27.975,-25.55 -28.518,-26.093 v3(-28.518,-27.757) -27.05,-29.225 -27.05,-29.725 -28.1,-30.775 -28.1,-38.825 -18.3,-48.625 -18.3,-55 -19.05,-55.75 U300.45@-24.425,-55.75
  Bottom Layer LF-signals w0.175: v6(-25.675,-18.175) U400.F9@-25.35,-18.5
EDBG_CDC_USART_TX: R414.2 U400.E9 | length 10.6
  Top Layer LF-signals w0.175: v3(-27.575,-26.175) -27.575,-20.725 v6(-25.025,-18.175)
  Bottom Layer LF-signals w0.175: R414.2@-27.575,-27.275 v3(-27.575,-26.175) ; v6(-25.025,-18.175) U400.E9@-24.7,-18.5
EDBG_DGI_SCL: J200.12@-4.43,-41.43 J201.12@-4.43,-76.99 J202.12@-31.27,-95.57 R305.1 U300.18 U400.F7 | length 140.5
  Top Layer LF-signals w0.175: U300.18@-33.25,-63.575 -33.25,-64.925 -33.875,-65.55 -33.875,-67.85 -30.675,-71.05 v1(-30.675,-75.725) -30.675,-91.825 -30.025,-92.475 -30.025,-94.325 J202.12@-31.27,-95.57 ; v5(-25.675,-20.125) -25.675,-36.6 -25.525,-36.75 R305.1@-24.95,-36.75 -24.95,-38.6 -23.35,-40.2 -5.66,-40.2 J200.12@-4.43,-41.43 -3.045,-41.43 -2.3,-42.175 -2.3,-74.86 J201.12@-4.43,-76.99
  Bottom Layer LF-signals w0.175: v1(-30.675,-75.725) -5.695,-75.725 J201.12@-4.43,-76.99 ; v5(-25.675,-20.125) U400.F7@-25.35,-19.8
EDBG_DGI_SDA: J200.11@-6.97,-41.43 J201.11@-6.97,-76.99 J202.11@-31.27,-93.03 R306.1 U300.17 U400.G7 | length 137.3
  Top Layer LF-signals w0.175: U300.17@-33.75,-63.575 -33.75,-64.775 -34.325,-65.35 -34.325,-68.05 -31.27,-71.105 v1(-31.27,-77) J202.11@-31.27,-93.03 ; v5(-26.325,-20.125) -26.825,-20.625 -26.825,-24.25 -26.075,-25 -26.075,-36.6 -26.225,-36.75 R306.1@-26.825,-36.75 -26.825,-37.375 -23.65,-40.55 -7.85,-40.55 J200.11@-6.97,-41.43 -5.825,-42.575 -3.18,-42.575 -2.825,-42.93 -2.825,-74.7 -3.825,-75.7 -5.68,-75.7 J201.11@-6.97,-76.99
  Bottom Layer LF-signals w0.175: v1(-31.27,-77) -31.26,-76.99 J201.11@-6.97,-76.99 ; v5(-26.325,-20.125) U400.G7@-26,-19.8
EDBG_FORCE_BOOT: TP401.1 U400.H9 | length 21.9
  Bottom Layer LF-signals w0.125: -26.976,-17.574 -26.976,-18.174 U400.H9@-26.65,-18.5
  Bottom Layer LF-signals w0.175: TP401.1@-38.6,-1.5 -36.968,-3.132 -36.968,-4.857 -31.4,-10.425 -31.4,-13.15 -26.976,-17.574
EDBG_JTAG_TCK: TP402.1 U400.K9 | length 22.5
  Bottom Layer LF-signals w0.175: TP402.1@-41.6,-3.5 -40.6,-4.5 -38.275,-4.5 -32.2,-10.575 -32.2,-15.025 -28.725,-18.5 U400.K9@-27.95,-18.5
EDBG_JTAG_TDI: TP403.1 U400.K8 | length 22.2
  Bottom Layer LF-signals w0.175: TP403.1@-41.6,-5.5 -40.725,-6.375 -37.339,-6.375 -33.075,-10.639 -33.075,-15.566 -29.491,-19.15 U400.K8@-27.95,-19.15
EDBG_JTAG_TDO: TP404.1 U400.J8 | length 19.7
  Bottom Layer LF-signals w0.125: -28.2,-18.825 -27.625,-18.825 U400.J8@-27.3,-19.15
  Bottom Layer LF-signals w0.175: TP404.1@-38.6,-5.5 -37.754,-5.5 -32.6,-10.654 -32.6,-15.35 -29.125,-18.825 -28.2,-18.825
EDBG_JTAG_TMS: TP405.1 U400.H7 | length 23
  Bottom Layer LF-signals w0.125: -28.225,-19.475 -26.975,-19.475 U400.H7@-26.65,-19.8
  Bottom Layer LF-signals w0.175: TP405.1@-41.6,-7.5 -39.875,-9.225 -34.948,-9.225 -33.45,-10.723 -33.45,-15.725 -29.7,-19.475 -28.225,-19.475
EDBG_RESET_N: TP406.1 U400.J9 | length 20.5
  Bottom Layer LF-signals w0.125: -28.35,-18.175 -27.625,-18.175 U400.J9@-27.3,-18.5
  Bottom Layer LF-signals w0.175: TP406.1@-38.6,-3.5 -37.875,-3.5 -37.379,-3.996 -37.379,-4.921 -31.825,-10.475 -31.825,-14.7 -28.35,-18.175
EDBG_SPI_DGI_MISO: R420.1 U400.K2 | length 5.6
  Bottom Layer LF-signals w0.175: R420.1@-30.775,-27.275 v3(-30.775,-26.175) -30.775,-25.525 -28.3,-23.05 U400.K2@-27.95,-23.05
EDBG_SPI_DGI_MOSI: J202.16@-36.35,-95.57 U300.49 U400.K3 | length 95
  Top Layer LF-signals w0.175: J202.16@-36.35,-95.57 -35.25,-94.47 v1(-35.25,-72.65) ; v1(-32.35,-26.95) -32.35,-38.775 -24.525,-46.6 -24.525,-49.825 -26.25,-51.55 U300.49@-26.25,-52.425 -26.25,-61.3 -25.125,-62.425 -21.75,-65.8 v1(-21.75,-72.65)
  Bottom Layer LF-signals w0.175: v1(-35.25,-72.65) v1(-21.75,-72.65) ; v1(-32.35,-26.95) -32.35,-26.475 -28.275,-22.4 U400.K3@-27.95,-22.4